# Altium PCB MiniPC.PcbDoc (part 22 of 23)
Units mm, origin at the board's own origin, x right, y up, seen from the top; angles counter-clockwise.
Board outline 175 x 155 mm, 16 copper layers (1_Top, 2_int1_(gnd), 3_int2_(power), 4_int3_(gnd), 5_int4_(sign), 6_int5_(power), 7_int6_(sign), 8_int7_(power), 9_int8_(gnd), 10_int9_(sign), 11_int10_(gnd), 12_int11_(sign), 13_int12_(gnd), 14_int13_(power), 15_int14_(gnd), 16_Bottom), stack 2.008 mm thick; 1046 components, 841 nets, 6010 pads, 4016 vias.
Unrouted connection lines stored in the file: 602.
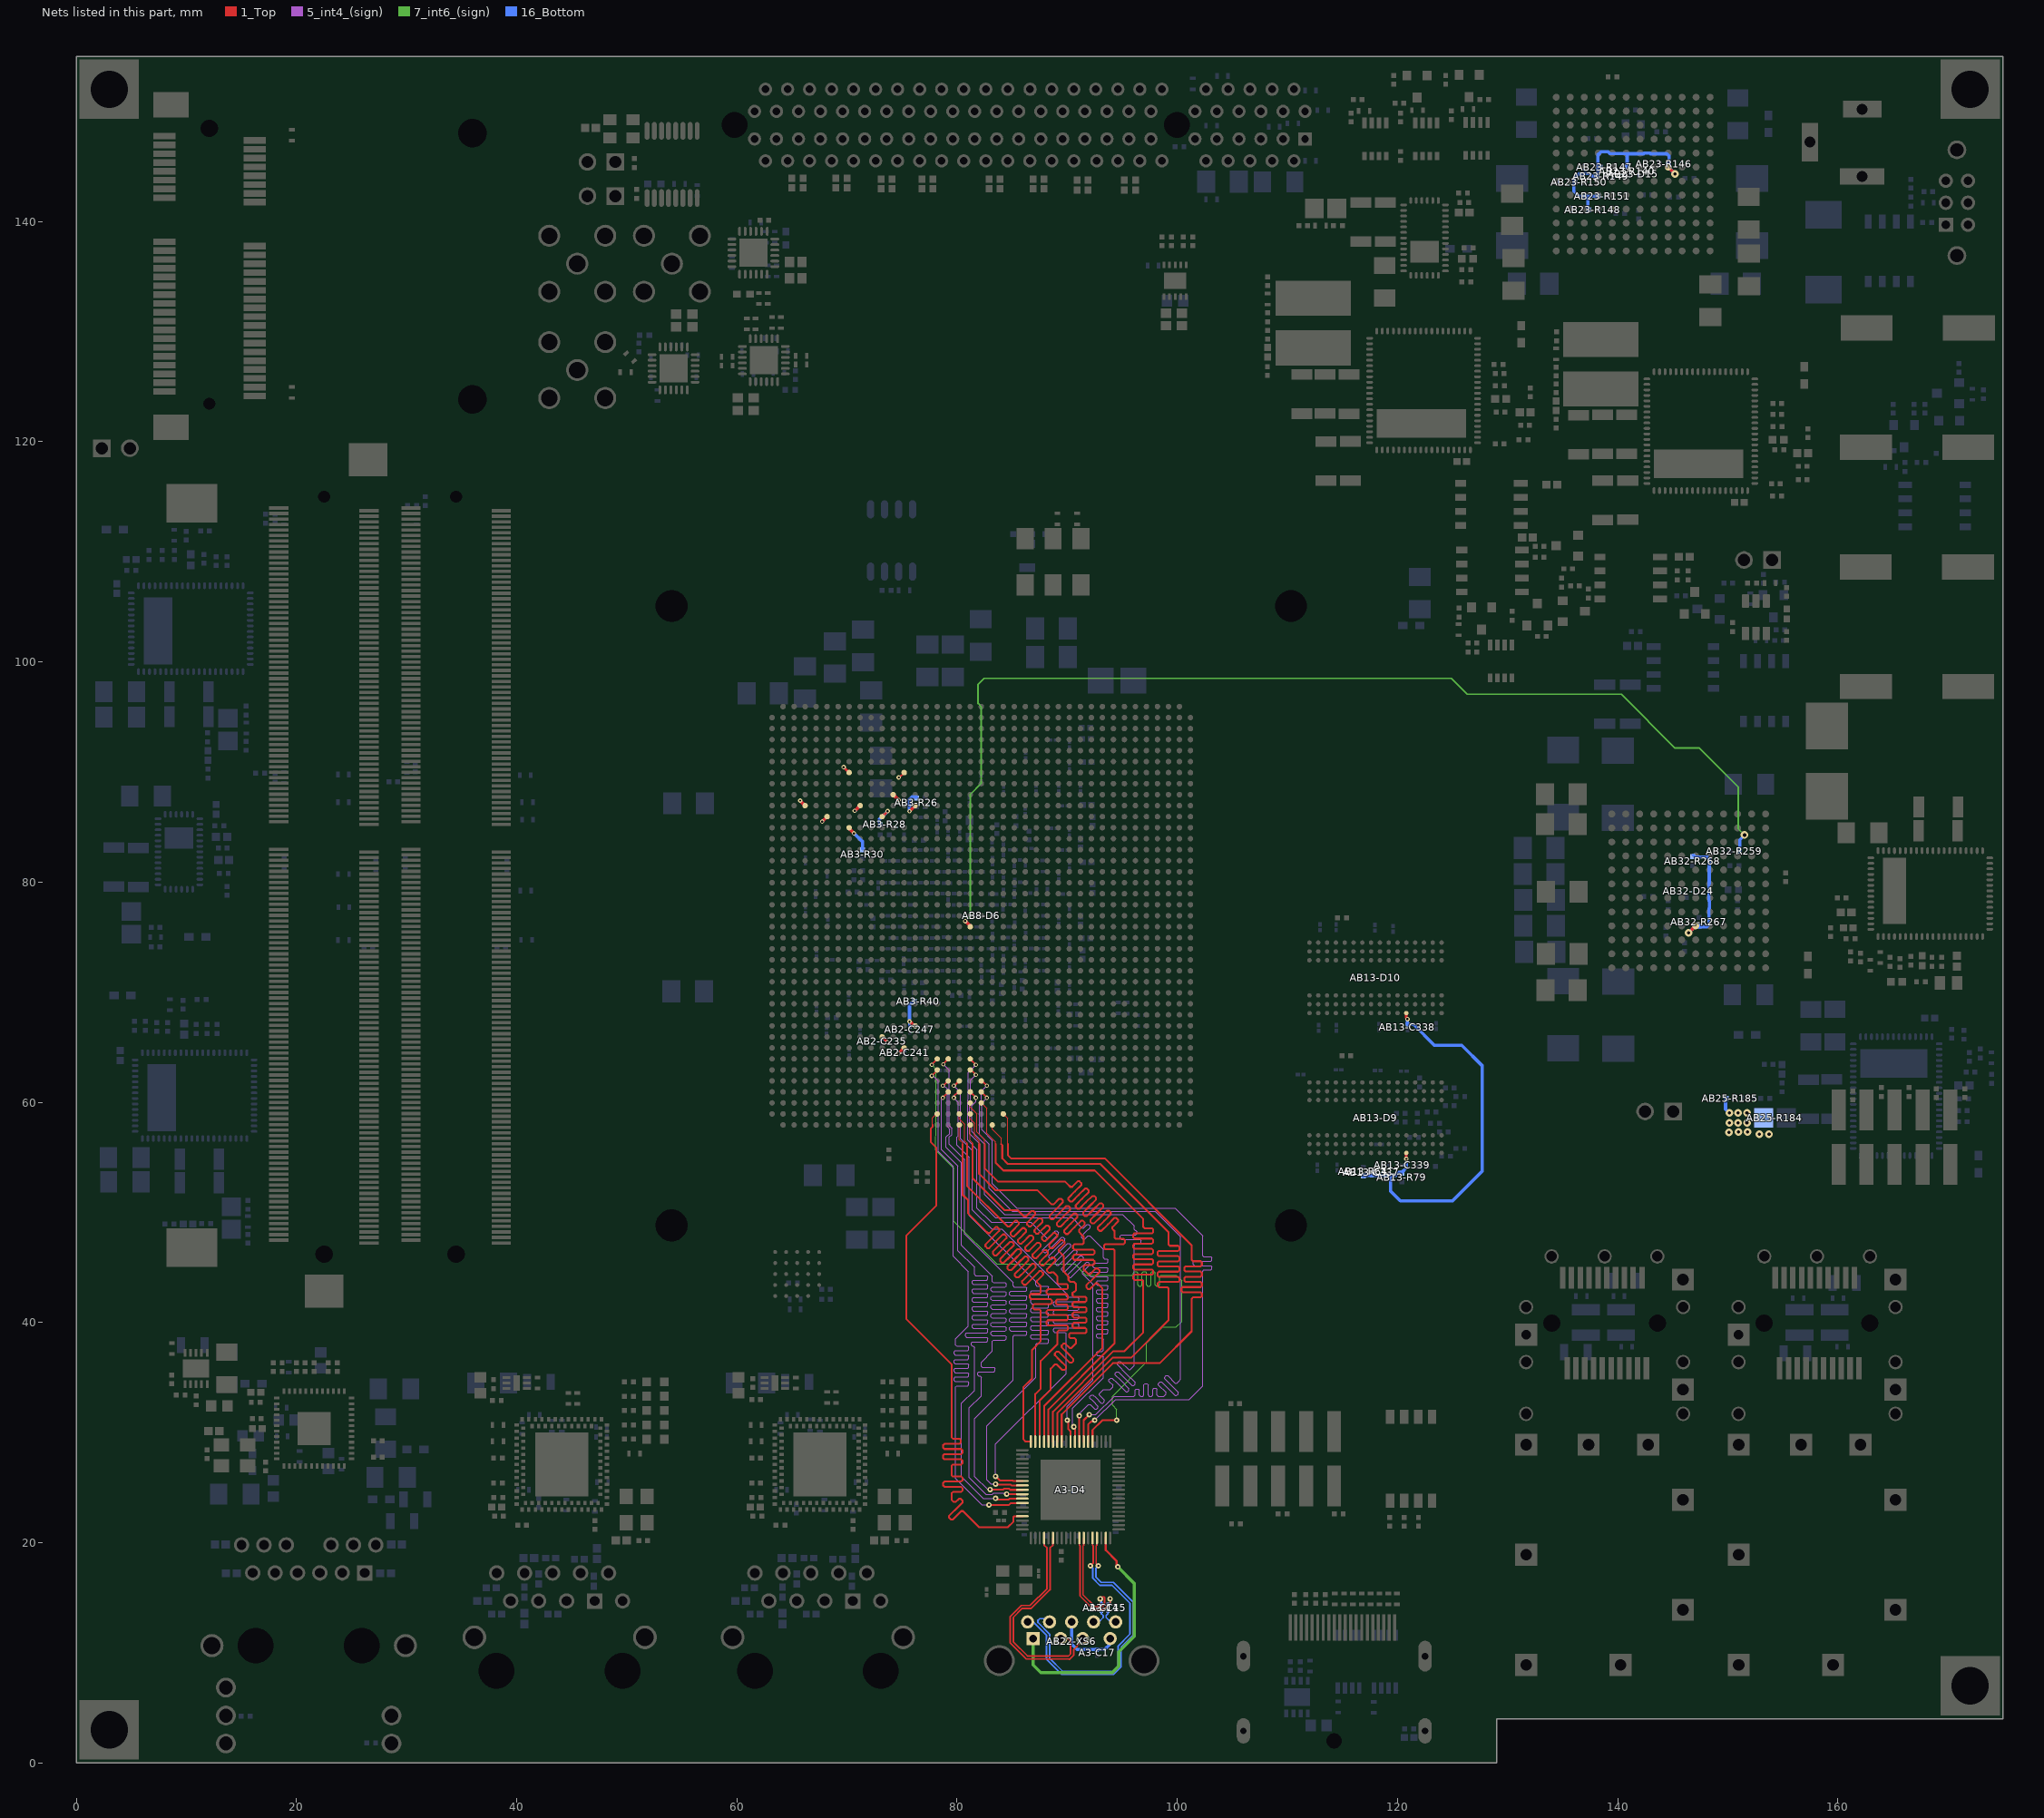
[diagram p36: the nets of this part, all layers, seen from the top]

## Via types
v1: diameter 0.4, hole 0.2, 1_Top to 16_Bottom, tented both sides, 1658 vias
v2: diameter 0.7, hole 0.3, 1_Top to 16_Bottom, tented both sides, 915 vias
v3: diameter 0.5, hole 0.2, 1_Top to 16_Bottom, tented both sides, 854 vias
v4: diameter 0.6, hole 0.2, 1_Top to 16_Bottom, 278 vias
v5: diameter 0.5, hole 0.2, 1_Top to 16_Bottom, 162 vias
v6: diameter 0.4, hole 0.2, 1_Top to 16_Bottom, 100 vias
v7: diameter 0.4/0/0/0/0/0/0/0/0/0/0/0/0/0/0/0.4 (per signal layer), hole 0.2, 1_Top to 16_Bottom, tented both sides, 18 vias
v8: diameter 0.4/0/0/0/0/0/0/0/0/0/0/0.4/0.4/0.4/0.4/0.4 (per signal layer), hole 0.2, 1_Top to 16_Bottom, tented both sides, 16 vias
v9: diameter 0.5, hole 0.254, 1_Top to 16_Bottom, 15 vias

## Nets (pads, with @x,y where several pads share a name; then routed paths per layer and width w, separated by ;. In a path a pad name is that pad's centre, name@x,y a point inside that pad or via, vN(x,y) a via of type N, cw(c..) or ccw(c..) an arc to the next point about the centre after c; other vN are vias at no path point) (continued)
USB3_DATA18: A3-D4.62 AB8-D6.AN16 | length 65.5
  1_Top w0.17: v1(77.7,63.4) 77.7,63.445 AB8-D6.AN16@78.194,63.939 ; A3-D4.62@92.3,29.175 92.3,30.225 93.2,31.125 v3(94.5,31.125)
  7_int6_(sign) w0.1: v1(77.7,63.4) 78.1,63 78.1,56.961 78.05,56.911 78.05,55.65 79.7,54 79.7,49.2 83.6,45.3 90.7,45.3 91.7,44.3 95.8,44.3 95.9,44.3 96,44.4 96,44.5 96.1,44.6 96.3,44.6 96.4,44.5 96.4,44.3 96.4,43.4 96.5,43.3 96.7,43.3 96.8,43.4 96.8,44.3 96.8,44.5 96.9,44.6 97.1,44.6 97.2,44.5 97.2,44.3 97.2,43.4 97.3,43.3 97.5,43.3 97.6,43.4 97.6,44.3 97.6,44.5 97.7,44.6 97.9,44.6 98,44.5 98,44.3 98,43.4 98.1,43.3 98.3,43.3 98.4,43.4 98.4,44.2 98.5,44.3 98.7,44.3 99.9,44.3 100.4,43.8 100.4,40.1 99.9,39.6 98.7,39.6 97.2,38.1 97.2,36.4 94.1,33.3 94.1,32.5 94.5,32.1 v3(94.5,31.125)
USB3_DATA19: A3-D4.63 AB8-D6.AT20 | length 61.8
  1_Top w0.17: AB8-D6.AT20@82.194,60.939 82.7,60.433 v1(82.7,60.4) ; A3-D4.63@91.9,29.175 91.9,30.725 92.175,31 92.375,31 v3(92.5,31.125)
  5_int4_(sign) w0.1: v1(82.7,60.4) 82.25,59.95 82.25,57.489 83.2,56.539 83.2,52.6 85.4,50.4 99.79,50.4 102.3,47.89 102.3,46.16 102.3,46.06 102.4,45.96 103.042,45.96 103.142,45.86 103.142,45.66 103.042,45.56 102.3,45.56 101.558,45.56 101.458,45.46 101.458,45.26 101.558,45.16 102.3,45.16 103.042,45.16 103.142,45.06 103.142,44.86 103.042,44.76 102.4,44.76 102.3,44.66 102.3,43.56 102.3,34.23 101.07,33 94.4,33 92.525,31.125 v3(92.5,31.125)
USB3_DATA20: A3-D4.64 AB8-D6.AR20 | length 65.1
  1_Top w0.17: AB8-D6.AR20@82.194,61.939 82.261,61.939 v1(82.7,61.5) ; A3-D4.64@91.5,29.175 91.5,31.125 v3(92,31.625)
  5_int4_(sign) w0.1: v1(82.7,61.5) 82.2,61 82.2,60.183 82.05,60.033 82.05,57.05 82.9,56.2 82.9,52.2 85,50.1 97.97,50.1 100.3,47.77 100.3,37.01 100.3,36.81 100.3,36.41 100.3,36.01 100.3,35.61 100.3,35.21 100.3,34.84 100.159,34.699 99.946,34.486 99.805,34.486 99.13,35.161 98.989,35.161 98.848,35.02 98.848,34.878 99.593,34.133 100.072,33.654 100.072,33.512 99.931,33.371 99.789,33.371 99.31,33.85 98.565,34.595 98.423,34.595 98.282,34.454 98.282,34.312 98.957,33.638 98.957,33.496 98.76,33.3 98.56,33.3 98.26,33.3 98.16,33.4 98.16,33.91 98.06,34.01 97.86,34.01 97.76,33.91 97.76,33.4 97.66,33.3 97.46,33.3 97.36,33.4 97.36,34.354 97.26,34.454 97.06,34.454 96.96,34.354 96.96,33.4 96.86,33.3 96.66,33.3 96.56,33.4 96.56,33.862 96.46,33.962 96.26,33.962 96.16,33.862 96.16,33.4 96.06,33.3 95.14,33.3 94.276,33.3 92.601,31.625 v3(92,31.625)
USB3_DATA21: A3-D4.65 AB8-D6.AT19 | length 64.1
  1_Top w0.17: AB8-D6.AT19@81.194,60.939 81.7,60.433 v1(81.7,60.4) ; A3-D4.65@91.1,29.175 v3(91.1,31.525)
  5_int4_(sign) w0.1: v1(81.7,60.4) 81.7,60.045 81.35,59.695 81.35,57.35 82.5,56.2 82.5,51.6 84.3,49.8 95.03,49.8 96.07,48.76 96.07,48.56 96.07,48.46 96.17,48.36 96.222,48.36 96.322,48.26 96.322,48.06 96.222,47.96 96.07,47.96 94.916,47.96 94.816,47.86 94.816,47.66 94.916,47.56 96.07,47.56 96.606,47.56 96.706,47.46 96.706,47.26 96.606,47.16 96.17,47.16 96.07,47.06 96.07,46.87 96.07,36.07 95.929,35.929 95.716,35.716 95.575,35.716 94.83,36.462 94.688,36.462 94.547,36.32 94.547,36.179 95.363,35.363 96.179,34.547 96.179,34.405 96.037,34.264 95.896,34.264 95.08,35.08 94.638,35.522 94.497,35.522 94.355,35.381 94.355,35.239 94.797,34.797 95.613,33.981 95.613,33.84 95.472,33.698 95.33,33.698 94.514,34.514 94.081,34.948 93.939,34.948 93.798,34.807 93.798,34.665 94.161,34.302 94.161,34.161 93.949,33.949 93.9,33.9 93.28,33.9 93.139,33.759 92.926,33.546 92.926,33.405 93.371,32.961 93.371,32.819 93.229,32.678 93.088,32.678 92.573,33.193 92.352,33.414 92.211,33.414 92.069,33.272 92.069,33.131 92.29,32.91 92.805,32.395 92.805,32.254 92.664,32.112 92.522,32.112 92.078,32.557 91.936,32.557 91.78,32.4 91.1,31.72 v3(91.1,31.525)
USB3_DATA22: A3-D4.66 AB8-D6.AP19 | length 66.4
  1_Top w0.17: AB8-D6.AP19@81.194,62.939 81.261,62.939 v1(81.7,62.5) ; v3(90.6,30.525) 90.7,30.425 A3-D4.66@90.7,29.175
  5_int4_(sign) w0.1: v1(81.7,62.5) 81.2,62 81.2,60.172 81.15,60.122 81.15,57.15 82.1,56.2 82.1,50.9 83.5,49.5 90.43,49.5 91.27,48.66 91.341,48.589 91.482,48.589 91.802,48.909 91.944,48.909 92.085,48.768 92.085,48.626 91.694,48.236 91.304,47.845 91.304,47.704 91.445,47.562 91.586,47.562 91.906,47.882 92.048,47.882 92.215,47.715 93.28,46.65 93.28,45.98 93.28,45.88 93.38,45.78 93.603,45.78 93.703,45.68 93.703,45.48 93.603,45.38 93.28,45.38 92.43,45.38 92.33,45.28 92.33,45.08 92.43,44.98 93.28,44.98 93.606,44.98 93.706,44.88 93.706,44.68 93.606,44.58 93.28,44.58 92.126,44.58 92.026,44.48 92.026,44.28 92.126,44.18 93.28,44.18 93.606,44.18 93.706,44.08 93.706,43.88 93.606,43.78 93.28,43.78 92.758,43.78 92.658,43.68 92.658,43.48 92.758,43.38 93.28,43.38 93.606,43.38 93.706,43.28 93.706,43.08 93.606,42.98 93.28,42.98 92.76,42.98 92.66,42.88 92.66,42.68 92.76,42.58 93.28,42.58 93.606,42.58 93.706,42.48 93.706,42.28 93.606,42.18 93.28,42.18 92.76,42.18 92.66,42.08 92.66,41.88 92.76,41.78 93.28,41.78 93.606,41.78 93.706,41.68 93.706,41.48 93.606,41.38 93.28,41.38 92.76,41.38 92.66,41.28 92.66,41.08 92.76,40.98 93.28,40.98 93.606,40.98 93.706,40.88 93.706,40.68 93.606,40.58 93.28,40.58 92.76,40.58 92.66,40.48 92.66,40.28 92.76,40.18 93.28,40.18 93.606,40.18 93.706,40.08 93.706,39.88 93.606,39.78 93.28,39.78 92.76,39.78 92.66,39.68 92.66,39.48 92.76,39.38 93.28,39.38 93.606,39.38 93.706,39.28 93.706,39.08 93.606,38.98 93.28,38.98 92.76,38.98 92.66,38.88 92.66,38.68 92.76,38.58 93.18,38.58 93.28,38.48 93.28,38.18 93.28,37.78 93.28,37.48 93.18,37.38 92.76,37.38 92.66,37.28 92.66,37.08 92.76,36.98 93.18,36.98 93.28,36.88 93.28,36.58 93.28,36.33 93.28,34.98 90.5,32.2 90.5,30.625 v3(90.6,30.525)
USB3_DATA23: A3-D4.67 AB8-D6.AN19 | length 66
  1_Top w0.17: AB8-D6.AN19@81.194,63.939 81.194,63.906 v1(81.7,63.4) ; v3(90,31.125) 90.1,31.025 90.1,30.318 90.3,30.118 A3-D4.67@90.3,29.175
  5_int4_(sign) w0.1: v1(81.7,63.4) 81,62.7 81,60.255 80.95,60.205 80.95,56.55 81.8,55.7 81.8,50.4 83.1,49.1 86.71,49.1 88.07,47.74 88.141,47.669 88.282,47.669 88.919,48.306 89.06,48.306 89.202,48.164 89.202,48.023 88.494,47.316 87.787,46.608 87.787,46.467 87.928,46.326 88.07,46.326 88.777,47.033 89.484,47.74 89.626,47.74 89.767,47.599 89.767,47.457 89.06,46.75 88.353,46.043 88.353,45.901 88.494,45.76 88.636,45.76 89.343,46.467 90.05,47.174 90.191,47.174 90.333,47.033 90.333,46.892 89.626,46.184 88.918,45.477 88.918,45.336 89.06,45.194 89.201,45.194 89.908,45.902 90.616,46.609 90.757,46.609 90.899,46.467 90.899,46.326 90.191,45.619 89.484,44.911 89.484,44.77 89.625,44.629 89.767,44.629 90.474,45.336 91.181,46.043 91.323,46.043 91.464,45.902 91.464,45.76 90.757,45.053 90.05,44.346 90.05,44.204 90.191,44.063 90.333,44.063 91.04,44.77 91.747,45.477 91.889,45.477 92.03,45.336 92.03,45.195 91.393,44.558 91.393,44.417 91.55,44.26 92.36,43.45 92.36,34.76 90,32.4 v3(90,31.125)
USB3_DATA24: A3-D4.69 AB8-D6.AV22 | length 60
  1_Top w0.1: AB8-D6.AV22@84.194,58.939 84.6,58.533 84.6,56.2
  1_Top w0.17: 84.6,56.2 84.6,55.2 84.9,54.9 93.4,54.9 101.3,47 101.3,45.8 101.3,45.683 101.418,45.565 102.11,45.565 102.228,45.448 102.228,45.213 102.11,45.095 101.3,45.095 100.755,45.095 100.638,44.978 100.638,44.743 100.755,44.625 101.3,44.625 102.11,44.625 102.228,44.508 102.228,44.273 102.11,44.155 101.3,44.155 100.755,44.155 100.638,44.038 100.638,43.803 100.755,43.685 101.3,43.685 102.11,43.685 102.228,43.568 102.228,43.333 102.11,43.215 101.3,43.215 100.49,43.215 100.372,43.098 100.372,42.863 100.49,42.745 101.3,42.745 102.11,42.745 102.228,42.628 102.228,42.393 102.11,42.275 101.418,42.275 101.3,42.158 101.3,41.2 101.3,39.2 98.4,36.3 94.147,36.3 89.5,31.653 A3-D4.69@89.5,29.175
USB3_DATA25: A3-D4.70 AB8-D6.AW21 | length 60.2
  1_Top w0.1: AB8-D6.AW21@83.194,57.939 83.194,57.545 84,56.739 84,56.2
  1_Top w0.17: 84,56.2 84.1,56.1 84.1,54.9 84.6,54.4 93,54.4 99.2,48.2 99.2,47.2 99.2,47.083 99.318,46.965 100.078,46.965 100.196,46.848 100.196,46.613 100.078,46.495 99.2,46.495 98.322,46.495 98.204,46.378 98.204,46.143 98.322,46.025 99.2,46.025 100.078,46.025 100.196,45.908 100.196,45.673 100.078,45.555 99.2,45.555 98.322,45.555 98.204,45.438 98.204,45.203 98.322,45.085 99.2,45.085 100.078,45.085 100.196,44.968 100.196,44.733 100.078,44.615 99.2,44.615 98.322,44.615 98.204,44.498 98.204,44.263 98.322,44.145 99.2,44.145 100.078,44.145 100.196,44.028 100.196,43.793 100.078,43.675 99.2,43.675 98.322,43.675 98.204,43.558 98.204,43.323 98.322,43.205 99.082,43.205 99.2,43.088 99.2,42 99.2,40.2 95.8,36.8 94.123,36.8 89.1,31.777 A3-D4.70@89.1,29.175
USB3_DATA26: A3-D4.71 AB8-D6.AU20 | length 62.3
  1_Top w0.1: AB8-D6.AU20@82.194,59.939 82.7,59.433 82.7,57.2 83.5,56.4 83.5,56.2
  1_Top w0.17: 83.5,56.2 83.5,54.5 84.2,53.8 92.5,53.8 96.9,49.4 96.9,48.8 96.9,48.683 97.017,48.565 97.688,48.565 97.806,48.448 97.806,48.213 97.688,48.095 96.9,48.095 96.112,48.095 95.994,47.978 95.994,47.743 96.112,47.625 96.9,47.625 97.688,47.625 97.806,47.508 97.806,47.273 97.688,47.155 96.9,47.155 96.112,47.155 95.994,47.038 95.994,46.803 96.112,46.685 96.9,46.685 97.688,46.685 97.806,46.568 97.806,46.333 97.688,46.215 96.9,46.215 96.112,46.215 95.994,46.098 95.994,45.863 96.112,45.745 96.9,45.745 97.688,45.745 97.806,45.628 97.806,45.393 97.688,45.275 96.9,45.275 96.112,45.275 95.994,45.158 95.994,44.923 96.112,44.805 96.9,44.805 97.688,44.805 97.806,44.688 97.806,44.453 97.688,44.335 96.9,44.335 96.112,44.335 95.994,44.218 95.994,43.983 96.112,43.865 96.835,43.865 96.9,43.8 96.9,39.1 95.2,37.4 94.2,37.4 88.7,31.9 A3-D4.71@88.7,29.175
USB3_DATA27: A3-D4.72 AB8-D6.AU19 | length 64.8
  1_Top w0.1: AB8-D6.AU19@81.194,59.939 81.194,59.561 81.8,58.955 81.8,57.3 82.5,56.6 82.5,56.2
  1_Top w0.17: 82.5,56.2 82.5,54 83.7,52.8 89.8,52.8 90.2,52.4 90.283,52.317 90.449,52.317 90.954,52.821 91.12,52.821 91.286,52.655 91.286,52.489 90.699,51.901 90.111,51.314 90.111,51.148 90.277,50.982 90.443,50.982 91.031,51.569 91.619,52.157 91.785,52.157 91.951,51.991 91.951,51.824 91.363,51.237 90.776,50.649 90.776,50.483 90.942,50.317 91.108,50.317 91.696,50.904 92.283,51.492 92.449,51.492 92.616,51.326 92.616,51.16 92.028,50.572 91.44,49.984 91.44,49.818 91.606,49.652 91.773,49.652 92.36,50.24 92.948,50.827 93.114,50.827 93.28,50.661 93.28,50.495 92.693,49.907 92.105,49.32 92.105,49.154 92.271,48.987 92.437,48.987 93.025,49.575 93.613,50.163 93.779,50.163 93.945,49.997 93.945,49.83 93.357,49.243 92.77,48.655 92.77,48.489 92.936,48.323 93.102,48.323 93.69,48.91 94.277,49.498 94.443,49.498 94.61,49.332 94.61,49.166 94.105,48.661 94.105,48.495 94.3,48.3 94.3,48.065 94.3,47.713 94.417,47.595 95.131,47.595 95.249,47.478 95.249,47.243 95.131,47.125 94.3,47.125 93.469,47.125 93.351,47.008 93.351,46.773 93.469,46.655 94.182,46.655 94.3,46.538 94.3,45.7 94.3,38.1 88.3,32.1 A3-D4.72@88.3,29.175
USB3_DATA28: A3-D4.73 AB8-D6.AV19 | length 62.2
  1_Top w0.1: AB8-D6.AV19@81.194,58.939 81.194,58.491 81.584,58.101 81.584,56.916 82,56.5 82,56.2
  1_Top w0.17: 82,56.2 82,53.5 83.5,52 87.3,52 88.5,50.8 88.583,50.717 88.749,50.717 89.27,51.238 89.436,51.238 89.602,51.071 89.602,50.905 88.999,50.301 88.395,49.698 88.395,49.532 88.561,49.365 88.727,49.365 89.331,49.969 89.935,50.573 90.101,50.573 90.267,50.407 90.267,50.241 89.663,49.637 89.059,49.033 89.059,48.867 89.226,48.701 89.392,48.701 89.996,49.304 90.599,49.908 90.765,49.908 90.932,49.742 90.932,49.576 90.328,48.972 89.724,48.368 89.724,48.202 89.89,48.036 90.056,48.036 90.66,48.64 91.264,49.244 91.43,49.244 91.596,49.077 91.596,48.911 91.076,48.391 91.076,48.224 91.325,47.975 91.5,47.8 91.5,47.565 91.5,47.213 91.382,47.095 90.646,47.095 90.529,46.978 90.529,46.743 90.646,46.625 91.5,46.625 92.354,46.625 92.471,46.508 92.471,46.273 92.354,46.155 91.5,46.155 90.646,46.155 90.529,46.038 90.529,45.803 90.646,45.685 91.5,45.685 92.354,45.685 92.471,45.568 92.471,45.333 92.354,45.215 91.618,45.215 91.5,45.098 91.5,44.8 91.666,44.634 91.915,44.385 92.082,44.385 92.602,44.905 92.768,44.905 92.935,44.739 92.935,44.573 92.331,43.969 91.727,43.365 91.727,43.199 91.893,43.033 92.059,43.033 92.58,43.554 92.746,43.554 92.996,43.304 93.2,43.1 93.2,37.7 87.9,32.4 A3-D4.73@87.9,29.175
USB3_DATA29: A3-D4.74 AB8-D6.AW19 | length 61.8
  1_Top w0.1: AB8-D6.AW19@81.194,57.939 81.194,56.506 81.4,56.3 81.4,56.2
  1_Top w0.17: 81.4,56.2 81.4,53.1 84.3,50.2 85.5,50.2 86,49.7 86.083,49.617 86.249,49.617 86.758,50.126 86.924,50.126 87.09,49.959 87.09,49.793 86.499,49.201 86.361,49.064 86.361,48.897 86.527,48.731 86.693,48.731 86.831,48.869 87.423,49.461 87.589,49.461 87.755,49.295 87.755,49.129 87.163,48.537 87.025,48.399 87.025,48.233 87.191,48.067 87.358,48.067 87.496,48.204 88.087,48.796 88.253,48.796 88.42,48.63 88.42,48.464 87.828,47.872 87.69,47.734 87.69,47.568 87.856,47.402 88.022,47.402 88.16,47.54 88.752,48.132 88.918,48.132 89.084,47.965 89.084,47.799 88.493,47.207 88.355,47.07 88.355,46.903 88.521,46.737 88.687,46.737 88.825,46.875 89.417,47.467 89.583,47.467 89.749,47.301 89.749,47.135 89.24,46.626 89.24,46.46 89.49,46.21 89.7,46 89.7,44.6 89.866,44.434 90.116,44.184 90.116,44.019 90.116,43.853 90.283,43.687 90.449,43.687 90.613,43.687 90.8,43.5 90.8,43.265 90.8,42.913 90.682,42.795 90.602,42.795 90.484,42.678 90.484,42.443 90.602,42.325 90.8,42.325 91.637,42.325 91.754,42.208 91.754,41.973 91.637,41.855 90.8,41.855 90.602,41.855 90.484,41.738 90.484,41.503 90.602,41.385 90.8,41.385 91.637,41.385 91.754,41.268 91.754,41.033 91.637,40.915 90.8,40.915 90.602,40.915 90.484,40.798 90.484,40.563 90.602,40.445 90.8,40.445 91.637,40.445 91.754,40.328 91.754,40.093 91.637,39.975 90.8,39.975 90.602,39.975 90.484,39.858 90.484,39.623 90.602,39.505 90.8,39.505 91.637,39.505 91.754,39.388 91.754,39.153 91.637,39.035 90.8,39.035 90.29,39.035 90.173,38.918 90.173,38.683 90.29,38.565 90.682,38.565 90.8,38.448 90.8,38.1 90.634,37.934 90.385,37.685 90.218,37.685 89.83,38.073 89.663,38.073 89.497,37.907 89.497,37.741 89.969,37.269 90.561,36.677 90.561,36.511 90.395,36.345 90.229,36.345 89.637,36.937 89.214,37.36 89.048,37.36 88.881,37.194 88.881,37.028 89.304,36.604 89.896,36.013 89.896,35.847 89.73,35.68 89.564,35.68 89.055,36.189 88.889,36.189 88.5,35.8 88.5,33.9 87.5,32.9 A3-D4.74@87.5,29.175
USB3_DATA30: A3-D4.75 AB8-D6.AV18 | length 62.4
  1_Top w0.1: AB8-D6.AV18@80.194,58.939 80.194,58.506 80.7,58 80.7,56.5 80.9,56.3 80.9,56.2
  1_Top w0.17: 80.9,56.2 80.9,52.4 84.5,48.8 84.583,48.717 84.749,48.717 85.268,49.236 85.434,49.236 85.601,49.07 85.601,48.904 84.999,48.301 84.851,48.154 84.851,47.987 85.017,47.821 85.183,47.821 85.331,47.969 85.933,48.571 86.099,48.571 86.265,48.405 86.265,48.239 85.663,47.637 85.515,47.489 85.515,47.323 85.681,47.156 85.848,47.156 85.996,47.304 86.598,47.906 86.764,47.906 86.93,47.74 86.93,47.574 86.328,46.972 86.18,46.824 86.18,46.658 86.346,46.492 86.512,46.492 86.66,46.64 87.262,47.242 87.428,47.242 87.595,47.076 87.595,46.909 86.993,46.307 86.845,46.159 86.845,45.993 87.011,45.827 87.177,45.827 87.325,45.975 87.927,46.577 88.093,46.577 88.259,46.411 88.259,46.245 87.657,45.643 87.509,45.495 87.509,45.329 87.675,45.162 87.842,45.162 87.99,45.31 88.592,45.912 88.758,45.912 88.924,45.746 88.924,45.58 88.322,44.978 88.174,44.83 88.174,44.664 88.34,44.498 88.506,44.498 88.571,44.563 88.737,44.563 88.987,44.313 89.1,44.2 89.1,43.965 89.1,43.613 89.218,43.495 89.951,43.495 90.069,43.378 90.069,43.143 89.951,43.025 89.1,43.025 88.249,43.025 88.131,42.908 88.131,42.673 88.249,42.555 89.1,42.555 89.951,42.555 90.069,42.438 90.069,42.203 89.951,42.085 89.1,42.085 88.982,41.968 88.982,41.733 89.1,41.615 89.951,41.615 90.069,41.498 90.069,41.263 89.951,41.145 89.1,41.145 88.249,41.145 88.131,41.028 88.131,40.793 88.249,40.675 89.1,40.675 89.951,40.675 90.069,40.558 90.069,40.323 89.951,40.205 89.1,40.205 88.249,40.205 88.131,40.088 88.131,39.853 88.249,39.735 89.1,39.735 89.951,39.735 90.069,39.618 90.069,39.383 89.951,39.265 89.218,39.265 89.1,39.148 89.1,38.5 89.1,38 87.6,36.5 87.6,34 87.1,33.5 A3-D4.75@87.1,29.175
USB3_DATA31: A3-D4.76 AB8-D6.AW18 | length 62
  1_Top w0.1: AB8-D6.AW18@80.194,57.939 80.194,56.606 80.5,56.3 80.5,56.2
  1_Top w0.17: 80.5,56.2 80.5,51.6 81,51.1 81,49.9 82.7,48.2 82.783,48.117 82.949,48.117 83.489,48.657 83.655,48.657 83.821,48.49 83.821,48.324 83.199,47.701 82.576,47.079 82.576,46.913 82.742,46.746 82.908,46.746 83.531,47.369 84.154,47.992 84.32,47.992 84.486,47.826 84.486,47.66 83.863,47.037 83.24,46.414 83.24,46.248 83.407,46.082 83.573,46.082 84.196,46.704 84.818,47.327 84.984,47.327 85.151,47.161 85.151,46.995 84.528,46.372 83.905,45.749 83.905,45.583 84.071,45.417 84.237,45.417 84.86,46.04 85.483,46.663 85.649,46.663 85.815,46.496 85.815,46.33 85.193,45.707 84.57,45.085 84.57,44.919 84.736,44.752 84.902,44.752 85.525,45.375 86.148,45.998 86.314,45.998 86.48,45.832 86.48,45.666 85.857,45.043 85.234,44.42 85.234,44.254 85.401,44.088 85.567,44.088 86.19,44.71 86.812,45.333 86.978,45.333 87.145,45.167 87.145,45.001 86.522,44.378 85.899,43.755 85.899,43.589 86.065,43.423 86.232,43.423 86.854,44.046 87.477,44.668 87.643,44.668 87.809,44.502 87.809,44.336 87.27,43.797 87.27,43.63 87.519,43.381 87.6,43.3 87.6,43.065 87.6,42.713 87.482,42.595 86.719,42.595 86.602,42.478 86.602,42.243 86.719,42.125 87.6,42.125 88.481,42.125 88.598,42.008 88.598,41.773 88.481,41.655 87.6,41.655 86.992,41.655 86.875,41.538 86.875,41.303 86.992,41.185 87.482,41.185 87.6,41.068 87.6,39.6 87.6,38.3 86.8,37.5 86.8,34.9 86,34.1 86,29.4 86.225,29.175 A3-D4.76@86.7,29.175
USB3_OE: A3-D4.13 AB8-D6.AP16 | length 58.2
  1_Top w0.17: v1(77.7,62.4) 78.194,62.894 AB8-D6.AP16@78.194,62.939 ; v3(82.9,23.425) 84.709,23.425 84.884,23.6 A3-D4.13@85.925,23.6
  5_int4_(sign) w0.1: v1(77.7,62.4) 77.8,62.4 78.3,61.9 78.3,55.524 79.65,54.174 79.65,46 81.03,44.62 81.03,39.67 79.87,38.51 79.87,38.04 79.87,37.94 79.97,37.84 80.95,37.84 81.05,37.74 81.05,37.54 80.95,37.44 79.87,37.44 79.824,37.44 79.724,37.34 79.724,37.14 79.824,37.04 79.87,37.04 80.95,37.04 81.05,36.94 81.05,36.74 80.95,36.64 79.87,36.64 79.824,36.64 79.724,36.54 79.724,36.34 79.824,36.24 79.87,36.24 80.95,36.24 81.05,36.14 81.05,35.94 80.95,35.84 79.87,35.84 79.824,35.84 79.724,35.74 79.724,35.54 79.824,35.44 79.87,35.44 80.95,35.44 81.05,35.34 81.05,35.14 80.95,35.04 79.87,35.04 79.824,35.04 79.724,34.94 79.724,34.74 79.824,34.64 79.87,34.64 80.95,34.64 81.05,34.54 81.05,34.34 80.95,34.24 79.97,34.24 79.87,34.14 79.87,33.62 79.87,25.83 82.25,23.45 82.875,23.45 v3(82.9,23.425)
USB3_port.DATA._N: A3-D4.25 AB22-XS6.2 | length 19.3
  1_Top w0.15: A3-D4.25@88.7,20.425 88.7,19.775 88.435,19.51 88.435,15.723 86.742,14.03 85.93,14.03 85.1,13.2 85.1,11 86.4,9.7 90.1,9.7 90.3,9.9 90.3,11.023 90.028,11.295 AB22-XS6.2@89.4,11.295
USB3_port.DATA._P: A3-D4.23 AB22-XS6.3 | length 19.9
  1_Top w0.15: A3-D4.23@87.9,20.425 87.9,19.775 88.165,19.51 88.165,15.835 86.63,14.3 85.818,14.3 84.909,13.391 84.83,13.312 84.83,10.888 84.909,10.809 86.288,9.43 88.288,9.43 88.309,9.409 88.33,9.43 90.17,9.43 90.191,9.409 90.6,9.818 90.6,10.3 91.205,10.905 91.205,11.1 AB22-XS6.3@91.4,11.295
USB3_port.GND: A3-C17.2 AB22-XS6.4 AB22-XS6.7 | length 6.4
  16_Bottom w0.3: AB22-XS6.7@90.4,12.795 90.4,11.045 90.4,10.8 90.9,10.3 93.4,10.3 93.9,10.8 AB22-XS6.4@93.9,11.295
USB3_port.SSRX._N: A3-D4.34 AB22-XS6.8 | length 26.4
  1_Top w0.15: v3(92.1,17.9) 92.365,18.165 92.365,19.71 92.3,19.775 A3-D4.34@92.3,20.425
  16_Bottom w0.15: AB22-XS6.8@88.4,12.795 88.095,13.1 87.5,13.1 87.348,12.948 87.348,12.748 88.4,11.695 88.4,9.5 89.6,8.3 94.1,8.3 94.63,8.83 94.63,10.63 95.7,11.7 95.7,14.5 94.07,16.13 92.974,16.13 92.328,16.776 92.328,17.672 v3(92.1,17.9)
USB3_port.SSRX._P: A3-D4.35 AB22-XS6.9 | length 26.4
  1_Top w0.15: A3-D4.35@92.7,20.425 92.7,19.775 92.635,19.71 92.635,18.09 v3(92.825,17.9)
  16_Bottom w0.15: AB22-XS6.9@86.4,12.795 86.918,12.795 88.13,11.583 88.13,9.388 89.488,8.03 94.212,8.03 94.282,8.1 94.9,8.718 94.9,10.518 95.891,11.509 95.97,11.588 95.97,14.612 95.891,14.691 94.182,16.4 93.086,16.4 92.598,16.888 92.598,17.673 v3(92.825,17.9)